# Altium PCB KlusterLab r2.0.PcbDoc (part 4 of 22)
Units mm, origin at the board's own origin, x right, y up, seen from the top; angles counter-clockwise.
Board outline 232 x 250 mm, 12 copper layers (L1 Top, L2 Inner1 (GND), L3 Inner2 (Sig), L4 Inner3 (GND), L5 Inner4 (PWR), L6 Inner5 (PWR), L7 Inner6 (PWR), L8 Inner7 (PWR), L9 Inner8 (GND), L10 Inner9 (Sig), L11 Inner10 (GND), L12 Bottom), stack 1.614 mm thick; 1169 components, 852 nets, 4679 pads, 5115 vias.
Unrouted connection lines stored in the file: 1.
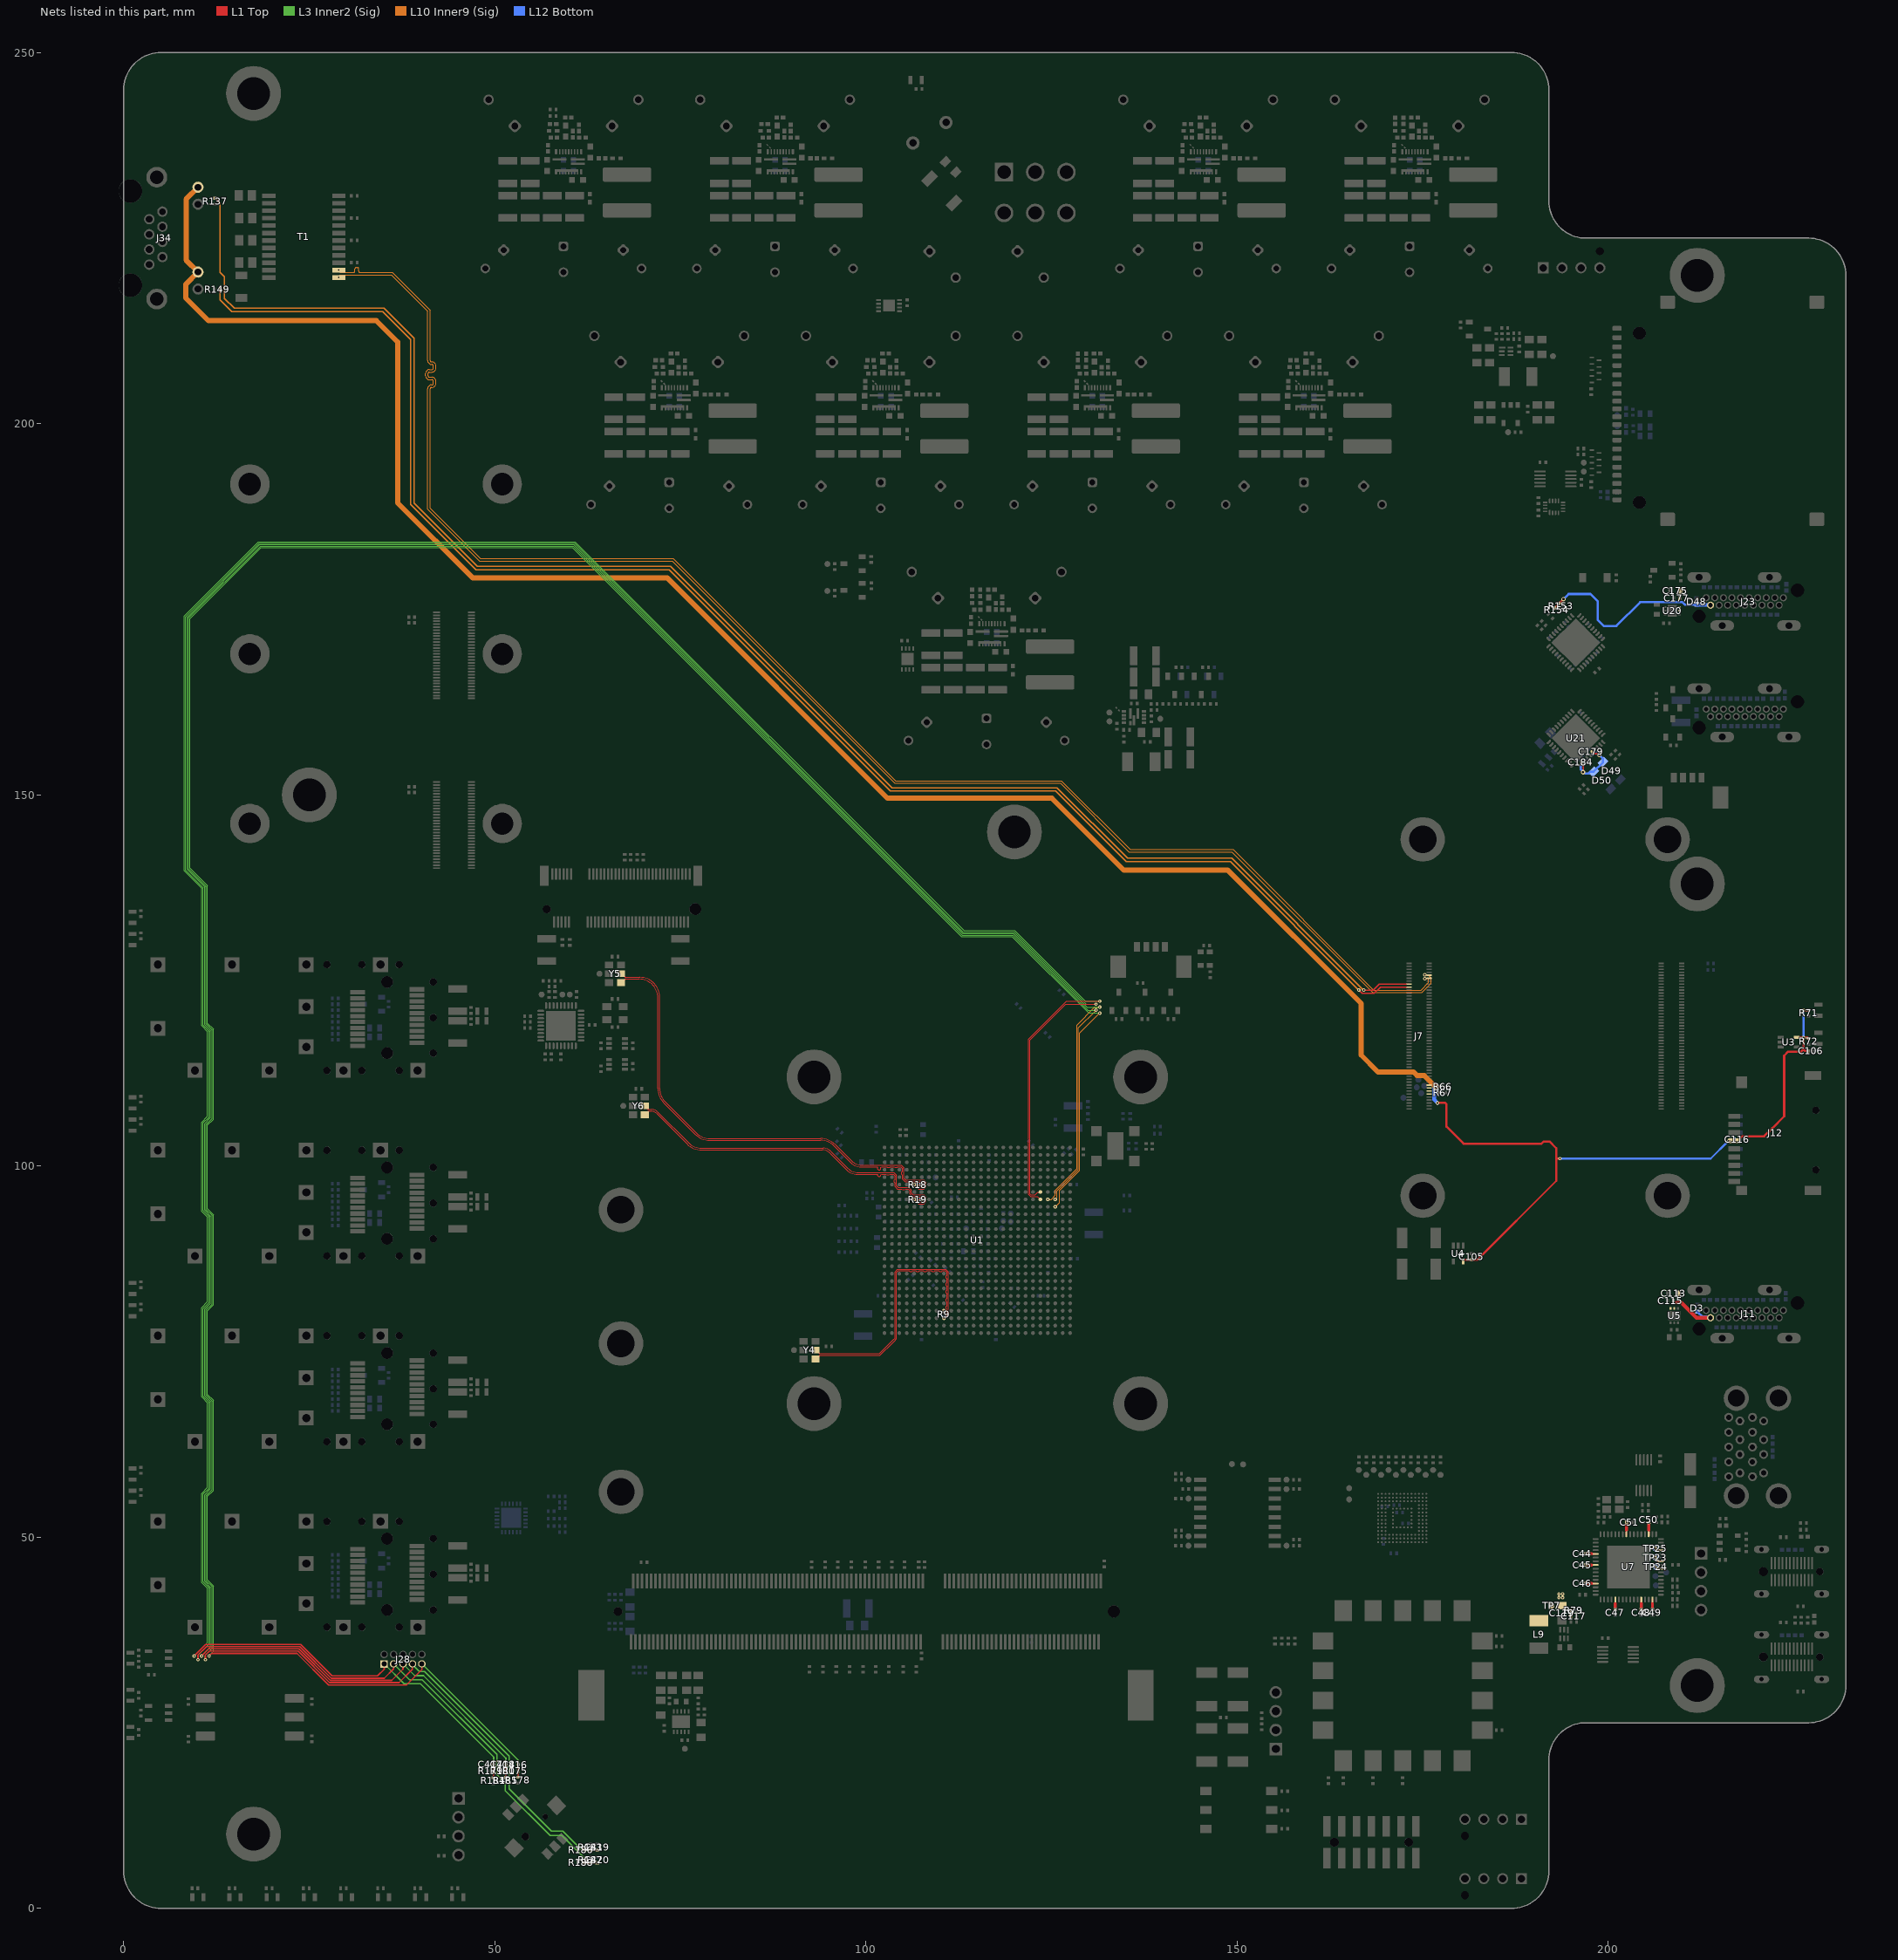
[diagram p14: the nets of this part, all layers, seen from the top]

## Part data
C1 C2 C3 C14 C16 C83 C84 C85 C86 C161 C162 C164 C165: library part CAP_0402_10nF_50V, "Multilayer Ceramic Capacitors MLCC - SMD/SMT 0402 50VDC", Manufacturer 1="Wurth Elektronik", Manufacturer 1 Prt. Nr.=885012205067, Manufacturer 2=Yageo, Manufacturer 2 Prt. Nr.=AC0402KPX7R9BB103
C4 C7 C8 C11 C12 C13 C37 C59 C80 C180: library part CAP_0805_10µF_35V, "Multilayer Ceramic Capacitors MLCC - SMD/SMT 0805 35VDC", Manufacturer 1="Murata Electronics", Manufacturer 1 Prt. Nr.=GRM21BR6YA106ME43L, Manufacturer 2=TDK, Manufacturer 2 Prt. Nr.=C2012X5R1V106M085AC
C5 C9 C10 C15 C17 C18 C19 C20 C21 C22 C23 C24 C25 C26 C27 C28 C29 C30 C31 C32 C33 C34 C35 C36 C41 C42 C43 C44 C45 C46 C47 C48 C49 C50 C51 C56 C57 C58 C61 C70 C71 C78 C79 C81 C82 C88 C90 C92 C94 C95 C97 C99 C101 C105 C106 C114 C115 C116 C143 C145 C146 C147 C148 C149 C150 C151 C152 C153 C154 C155 C156 C157 C158 C159 C160 C163 C167 C168 C169 C170 C171 C172 C173 C176 C177 C179 C181 C183 C184 C185 C186 C187 C188 C189 C190 C191 C192 C194 C195 C197 C198 C199 C213 C219 C250 C252 C289 C290 C316 C317 C343 C344 C370 C371 C397 C398 C416 C417 C418 C419 C420 C431 C432 C458 C459 C485 C486 C502 C503 C504 C511 C513 C520 C521 C522 C523 C524 C525 C526 C527 C528 C529 C533 C538: library part CAP_0402_100nF_50V, "Multilayer Ceramic Capacitors MLCC - SMD/SMT 0402 50VDC", Manufacturer 1="Murata Electronics", Manufacturer 1 Prt. Nr.=GCM155L8EH104KE07D, Manufacturer 2=TDK, Manufacturer 2 Prt. Nr.=UMK105B7104KV-FR
C6: library part CAP_0603_100nF_100V, "Multilayer Ceramic Capacitors MLCC - SMD/SMT 0603 100VDC", Manufacturer 1="Samsung Electro-Mechanics", Manufacturer 1 Prt. Nr.=CL10B104KC8NNNC, Manufacturer 2=AVX, Manufacturer 2 Prt. Nr.=06031C104KAT2A
C38 C207 C235 C253: library part CAP_1210_100µF_6.3V, "Multilayer Ceramic Capacitors MLCC - SMD/SMT 1210 6.3VDC", Manufacturer 1="Samsung Electro-Mechanics", Manufacturer 1 Prt. Nr.=CL32A107MQVNNWE, Manufacturer 2="Taiyo Yuden", Manufacturer 2 Prt. Nr.=JMK325ABJ107MMHP
C39 C40 C55 C200 C201 C202 C204 C205 C206 C208 C209 C210 C211 C212 C214 C215 C216 C217 C218 C220 C221 C222 C223 C224 C225 C226 C227 C228 C229 C230 C231 C232 C233 C234 C236 C237 C238 C239 C241 C242 C243 C244 C245 C247 C248 C249 C251 C254 C255 C256 C257 C263 C269 C271 C272 C274 C275 C277 C421 C422: library part CAP_0402_1µF_35V, "Multilayer Ceramic Capacitors MLCC - SMD/SMT 0402 35VDC", Manufacturer 1="Kyocera Electronic Components", Manufacturer 1 Prt. Nr.=CM05X5R105K35AH, Manufacturer 2=TDK, Manufacturer 2 Prt. Nr.=C1005X5R1V105K050BC
C52 C128 C129 C130 C131 C132 C133 C134 C135 C512: library part CAP_0402_1µF_16V, "Multilayer Ceramic Capacitors MLCC - SMD/SMT 0402 16VDC", Manufacturer 1="Taiyo Yuden", Manufacturer 1 Prt. Nr.=EMK105BJ105MVHF, Manufacturer 2="Murata Electronics", Manufacturer 2 Prt. Nr.=GRM155R61E105KA12D
C53 C54 C117 C530: library part CAP_0402_12pF_50V, "Multilayer Ceramic Capacitors MLCC - SMD/SMT 0402 50VDC", Manufacturer 1="Murata Electronics", Manufacturer 1 Prt. Nr.=GCM1555C1H120JA16J, Manufacturer 2=KEMET, Manufacturer 2 Prt. Nr.=C0402C120J5GACTU
C60: library part CAP_D5L5.5_100µF_10V, "Organische Polymer-Aluminiumkondensatoren 100uF 10 Volts 20%", Manufacturer 1="Würth Elektronik", Manufacturer 1 Prt. Nr.=875105242010
C62 C63 C64 C65 C87 C89 C91 C93 C96 C98 C100 C102 C103 C104 C178 C267 C268 C270 C273 C306 C307 C308 C309 C333 C334 C335 C336 C360 C361 C362 C363 C387 C388 C389 C390 C414 C415 C423 C424 C448 C449 C450 C451 C475 C476 C477 C478 C507 C508 C509 C510 C516 C517 C518 C519: library part CAP_1210_22µF_25V, "Multilayer Ceramic Capacitors MLCC - SMD/SMT 1210 25VDC", Manufacturer 1=KEMET, Manufacturer 1 Prt. Nr.=C1210C226K3PACTU, Manufacturer 2="Taiyo Yuden", Manufacturer 2 Prt. Nr.=TMK212BBJ226MG-TT
C66 C67 C68 C69 C276 C278 C280 C286 C310 C311 C312 C313 C337 C338 C339 C340 C364 C365 C366 C367 C391 C392 C393 C394 C425 C426 C427 C428 C452 C453 C454 C455 C479 C480 C481 C482: library part CAP_0603_1µF_50V_X7R_10%, "Multilayer Ceramic Capacitors MLCC - SMD/SMT 50V 1uF X7R 0603 10%", Manufacturer 1="KYOCERA AVX", Manufacturer 1 Prt. Nr.=06035C105KAT2A, Manufacturer 2="TAIYO YUDEN", Manufacturer 2 Prt. Nr.=MSASU168AB7105KTNA01
C72 C73 C74 C75 C107 C108 C109 C110 C291 C292 C293 C294 C297 C298 C299 C300 C318 C319 C320 C321 C324 C325 C326 C327 C345 C346 C347 C348 C351 C352 C353 C354 C372 C373 C374 C375 C378 C379 C380 C381 C399 C400 C401 C402 C405 C406 C407 C408 C433 C434 C435 C436 C439 C440 C441 C442 C460 C461 C462 C463 C466 C467 C468 C469 C487 C488 C489 C490 C493 C494 C495 C496: library part CAP_1210_47µF_10V_X7R_10%, "Multilayer Ceramic Capacitors MLCC - SMD/SMT 47 uF 10 VDC 10% 1210 X7R", Manufacturer 1="Murata Electronics", Manufacturer 1 Prt. Nr.=GRM32ER71A476KE15L, Manufacturer 2=KEMET, Manufacturer 2 Prt. Nr.=C1210C106K8RACTU
C76 C193 C196 C295 C322 C349 C376 C403 C437 C464 C491: library part CAP_0402_OPT, "Multilayer Ceramic Capacitors MLCC - SMD/SMT 0402 Optional Placeholder"
C77 C296 C323 C350 C377 C404 C438 C465 C492: library part CAP_0603_2.2µF_16V_X7R_10%, "Multilayer Ceramic Capacitors MLCC - SMD/SMT 2.2 uF 16 VDC 10% 0603 X7R", Manufacturer 1="Murata Electronics", Manufacturer 1 Prt. Nr.=GRM188Z71C225KE43D, Manufacturer 2="TAIYO YUDEN", Manufacturer 2 Prt. Nr.=EMK107BB7225KA-T
C111 C301 C328 C355 C382 C409 C443 C470 C497: library part CAP_0603_220nF_50V_X7R_10%, "Multilayer Ceramic Capacitors MLCC - SMD/SMT 0.22 uF 50 VDC 10% 0603 X7R", Manufacturer 1="Murata Electronics", Manufacturer 1 Prt. Nr.=GRJ188R71H224KE11D, Manufacturer 2=TDK, Manufacturer 2 Prt. Nr.=CGA3E3X7R1H224K080AE
C112 C113 C118 C174 C175 C203 C240 C246 C261 C262: library part CAP_0603_10µF_6.3V, "Multilayer Ceramic Capacitors MLCC - SMD/SMT 0603 6.3VDC", Manufacturer 1="Murata Electronics", Manufacturer 1 Prt. Nr.=GRM188R60J106ME84J, Manufacturer 2="Taiyo Yuden", Manufacturer 2 Prt. Nr.=JMK107ABJ106MA-T
C119 C531 C532 C534 C535 C536 C537 C539 C540: library part CAP_0805_22µF_16V, "Multilayer Ceramic Capacitors MLCC - SMD/SMT 0805 16VDC", Manufacturer 1="Samsung Electro-Mechanics", Manufacturer 1 Prt. Nr.=CL21A226KOQNNNG, Manufacturer 2="Murata Electronics", Manufacturer 2 Prt. Nr.=GRM21BC81C226ME44K
C120 C121 C122 C123 C124 C125 C126 C127: library part CAP_0402_10µF_6.3V, "Multilayer Ceramic Capacitors MLCC - SMD/SMT 0402 6.3VDC", Manufacturer 1="Murata Electronics", Manufacturer 1 Prt. Nr.=GRM155R60J106ME05J, Manufacturer 2="Samsung Electro-Mechanics", Manufacturer 2 Prt. Nr.=CL05A106MQ5NRNC
C136 C137 C138 C139 C140 C141 C142 C144: library part CAP_0402_4.7µF_6.3V, "Multilayer Ceramic Capacitors MLCC - SMD/SMT 0402 6.3VDC", Manufacturer 1="Murata Electronics", Manufacturer 1 Prt. Nr.=GRM155R60J475ME47J, Manufacturer 2="Samsung Electro-Mechanics", Manufacturer 2 Prt. Nr.=CL05A475MQ5NRNC
C166: library part CAP_1206_1nF_2000V, "Multilayer Ceramic Capacitors MLCC - SMD/SMT 1206 2000VDC", Manufacturer 1=Yageo, Manufacturer 1 Prt. Nr.=CC1206MKX7RDBB102, Manufacturer 2=Walsin, Manufacturer 2 Prt. Nr.=1206B102M202CT
C182: library part CAP_0603_22µF_10V, "Multilayer Ceramic Capacitors MLCC - SMD/SMT 0603 10VDC", Manufacturer 1="Samsung Electro-Mechanics", Manufacturer 1 Prt. Nr.=CL10A226MP8NUNE, Manufacturer 2="Murata Electronics", Manufacturer 2 Prt. Nr.=GRM188R61A226ME15D
C258 C259 C281 C282 C287 C288 C314 C315 C341 C342 C368 C369 C395 C396 C429 C430 C456 C457 C483 C484: library part CAP_D10L12.5_330µF_25V, "Organische Polymer-Aluminiumkondensatoren 330uF 25 Volts 20% AEC-Q200", Manufacturer 1="Würth Elektronik", Manufacturer 1 Prt. Nr.=870025575009
C260 C264 C265 C302 C303 C304 C329 C330 C331 C356 C357 C358 C383 C384 C385 C410 C411 C412 C444 C445 C446 C471 C472 C473 C498 C499 C500: library part CAP_D8L9_470µF_16V, "Organische Polymer-Aluminiumkondensatoren 470uF 16 Volts 20%", Manufacturer 1="Würth Elektronik", Manufacturer 1 Prt. Nr.=870025374007
C279 C505 C506 C514 C515: library part CAP_0805_1µF_50V, "Multilayer Ceramic Capacitors MLCC - SMD/SMT 0805 50VDC", Manufacturer 1="Samsung Electro-Mechanics", Manufacturer 1 Prt. Nr.=CL21B105KBFNNNG, Manufacturer 2="Taiyo Yuden", Manufacturer 2 Prt. Nr.=UMK212BJ105KGHT
D1 D30 D138 D140 D142 D144: library part "LED 0603 Green Sideview", "GREEN  0603 Light Emitting Diode", Color=Green, Manufacturer 1=lite-On, Manufacturer 1 Prt. Nr.=LTST-S270KGKT
D2 D29 D64 D65 D66 D67 D68 D69 D70 D71: library part "LED 0603 Red Sideview", "RED  0603 Light Emitting Diode", Color=Red, Manufacturer 1=lite-On, Manufacturer 1 Prt. Nr.=LTST-S270KRKT
D3 D4 D5 D6 D7 D8 D9 D10 D11 D12 D13 D14 D15 D16 D17 D18 D19 D20 D21 D22 D23 D24 D25 D26 D27 D28 D33 D34 D35 D36 D38 D39 D40 D41 D42 D43 D44 D45 D46 D47 D48 D51 D52 D53 D54 D55 D56 D57 D58 D59 D60 D61 D62 D63 D74 D75 D76 D81 D82: library part "CESDP0402UC5VB_TVS Diode 0402", "Low Capacitance ESD Protection Diode 0402", Manufacturer 1=CREATEK, Manufacturer 2=BORN, Manufacturer 2 Prt. Nr.=BPESD0402-05ST, Manufacturer 1 Prt. Nr.=CESDP0402UC5VB
D31 D73: library part "LED 0603 Blue Sideview", "BLUE  0603 Light Emitting Diode", Color=Blue, Manufacturer 1=lite-On, Manufacturer 1 Prt. Nr.=LTST-S270TBKT
D32 D83: library part 824014883_ESD-Suppressors_TVS-Diodes_3.3V_0.5pF_8Chnl, "ESD Suppressors / TVS Diodes WE-TVS Diode Array 3.3V 0.5pF 8Channel", Manufacturer 1="Wurth Elektronik", Manufacturer 1 Prt. Nr.=824014883
D37 D49 D50: library part "BAT54GWJ_Schottky Diode 30V, 200mA", "Schottky Diode 30V, 200mA", Manufacturer 1=Nexperia, Manufacturer 2=onsemi, Manufacturer 2 Prt. Nr.=BAT54T1G, Manufacturer 1 Prt. Nr.=BAT54GWJ
D72: library part "SMB15F18A_ESD-Entstörer/TVS-Dioden 1500 W, 18 V TVS", "ESD-Entstörer/TVS-Dioden 1500 W, 18 V TVS", Manufacturer 1=STMicroelectronics, Manufacturer 1 Prt. Nr.=SMB15F18A
D77 D78 D79 D80: library part "RB160QS-40_Schottky Dioden & Gleichrichter 40V", "Schottky Dioden & Gleichrichter 40V SCHOTTKY DIODES & RECTIFIERS", Manufacturer 1=Rohm, Manufacturer 1 Prt. Nr.=RB160QS-40
D139 D141 D143 D145: library part "LED 0603 ORANGE Sideview", "ORANGE 0603 Light Emitting Diode", Color=Orange, Manufacturer 1=lite-On, Manufacturer 1 Prt. Nr.=LTST-S270KFKT
F1: library part "0ZRB0400FF1A_Rückstellbare Sicherung 4.0A, 30V", "Rückstellbare Sicherung 4.0A, 30V", Manufacturer 1="Bel Fuse", Manufacturer 1 Prt. Nr.=0ZRB0400FF1A
H1 H20 H21: library part "Würth Standoff M2.5 h:6.5mm", "Würth Standoff M2.5 h:6.5mm 9774065151R", Manufacturer 1="Würth Elektronik", Manufacturer 1 Prt. Nr.=9774065151R
H2 H3 H4 H5: library part "Würth Standoff M2.5 h:3.0mm", "Würth Standoff M2.5 h:3.0mm 9774030151R", Manufacturer 1="Würth Elektronik", Manufacturer 1 Prt. Nr.=9774030151R
H6 H7 H8 H9 H22 H23 H24: library part "Würth Standoff M3 h:7mm", "Würth Standoff M3 h:7mm 9774070360R", Manufacturer 1="Würth Elektronik", Manufacturer 1 Prt. Nr.=9774070360R
H10 H11 H12 H13 H14 H15: library part "Würth Standoff M2 h:5mm", "Würth Standoff M2 h:5mm 9774050243R", Manufacturer 1="Würth Elektronik", Manufacturer 1 Prt. Nr.=9774050243R
H16 H17 H18 H19: library part "Würth Standoff M3 h:2mm", "Würth Standoff M3 h:2mm 9774020360R", Manufacturer 1="Würth Elektronik", Manufacturer 1 Prt. Nr.=9774020360R
HS1: library part "ATS-61500W-C2-R0_Heatsink Assembly 52.65x52.65x24.5mm", "Machined Copper Heatsink for GaN Devices", Manufacturer 1="Advanced Thermal Solutions", Manufacturer 1 Prt. Nr.=ATS-61500W-C2-R0
J1: library part "2-2013310-1_SO-DIMM DDR3 204P 9.2H STD Connector", "SO-DIMM DDR3 204P 9.2H STD Connector", Manufacturer 1="TE Connectivity", Manufacturer 1 Prt. Nr.=2-2013310-1
J2 J3 J4 J5: library part "74441-0010_Card Edge Connector for SFP+", "20 Pin Right Angle 0.8mm SMD Card Edge Connector for SFP+", Manufacturer 1=Molex, Manufacturer 1 Prt. Nr.=74441-0010
J6: library part "APCI0161-NGFF B-Key Card Edge Connector 8.5mm Height", "NGFF B-Key Card Edge Connector 8.5mm Height", Manufacturer 1=Lotes, Manufacturer 1 Prt. Nr.=APCI0161
J7: library part "DF40HC(3.0)-100DS-0.4V RPiCM4 Pin 1-100", "Hirose DF40HC(3.0)-100DS-0.4V 3mm heigth receptacle for Raspberry Pi CM4, Pin 1-100", Manufacturer 1=Hirose, Manufacturer 1 Prt. Nr.=DF40HC(3.0)-100DS-0.4V
J8: library part "DF40HC(3.0)-100DS-0.4V RPiCM4 Pin 101-200", "Hirose DF40C-100DS-0.4V 3mm heigth receptacle for Raspberry Pi CM4, Pin 101-200", Manufacturer 1=Hirose, Manufacturer 1 Prt. Nr.=DF40HC(3.0)-100DS-0.4V
J9: library part "UEA1112C-8FS6-4F_Dual USB 3.0 Horizontal Type A_1", "Dual USB 3.0 Horizontal Type A", Manufacturer 1=Foxconn, Manufacturer 2=HDGC, Manufacturer 2 Prt. Nr.=USB-HX-19DIP, Manufacturer 1 Prt. Nr.=UEA1112C-8FS6-4F
J10 J16: library part "53398-0476_1.25mm Pitch, PicoBlade PCB Header, Single Row, horizontal, SMD, 4 Pin", "1.25mm Pitch, PicoBlade PCB Header, Single Row, horizontal, SMD, 4 Pin", Manufacturer 1=Molex, Manufacturer 2 Prt. Nr.=53398-0471, Manufacturer 1 Prt. Nr.=53398-0476, Manufacturer 2=Molex
J11 J23 J24: library part "EB-500-6007_HDMI Connector 19Pin Vertical THT", "HDMI Connector Female Vertical 19 Pin", Manufacturer 1=Elecbee, Manufacturer 1 Prt. Nr.=EB-500-6007
J12: library part "TF-115_microSD™ Memory Card 8 connector", "microSD™ Memory Card 8 connector&Ejector 14.5x14.75x1.85mm Card Sockets Connector", Manufacturer 1=XUNPU, Manufacturer 1 Prt. Nr.=TF-115
J13 J14: library part "USB4200-03-A_USB3.2 Gen2, Type C Receptacle, Dual Row SMT, Flag Type, PCB Top Mount, 24 Pin", "USB Connectors USB Type C Receptacle, Flag-type, 3.2 Gen2, SMT, 24pin", Manufacturer 1=GCT, Manufacturer 1 Prt. Nr.=USB4200-03-A
J15 J17 J25: library part "61300411121_WR-PHD 2.54mm 4Pin THT Header", "WR-PHD 2.54mm 4Pin THT Header", Manufacturer 1="Würth Elektronik", Manufacturer 1 Prt. Nr.=61300411121
J18: library part "87832-1420_Box Pin header THT 2.00mm Box 14Pol Straight", "Box Pin header THT 2.00mm 14Pol Straight", Manufacturer 1=Molex, Manufacturer 1 Prt. Nr.=87832-1420
J19: library part CMP-CON-000076-3, "Horizontal SD Card UHS-II Connector with PCIe x1 Pins, Push-Push operation", Manufacturer 1=Amphenol, Manufacturer 1 Prt. Nr.=GSD2100107BHR, Max Operating Temperature=85°C, Min Operating Temperature=-40°C, Entry Direction="Side Entry", Gender=Female, Mount="Surface Mount", Pin Count=19, Symbol Text=GSD2100107BHR
J21 J27: "Platine-zu-Platine & Mezzanine-Steckverbinder 0.40 mm Micro Blade & Beam Ultra Fine Pitch Socket", Manufacturer 1=Samtec, Manufacturer 1 Prt. Nr.=SS4-30-3.50-L-D-K-TR
J26: library part "87427-0602_Mini-Fit Jr. Right angle Header, 4.20mm Pitch, Dual Row, 6 Circuits", "Mini-Fit Jr. Right angle Header, 4.20mm Pitch, Dual Row, 6 Circuits", Manufacturer 1=MOLEX, Manufacturer 1 Prt. Nr.=874270602
J28: library part "62701021621_Box Pin header THT 1.27mm 10Pol Straight", "Box Pin header THT 1.27mm 10Pol Straight", Manufacturer 1="Würth Elektronik", Manufacturer 1 Prt. Nr.=62701021621
J29 J30 J31: library part "FAN Connector header 2.54mm 4Pol Pinrex 744-81-04TG20", "FAN Connector header 2.54mm 4Pol", Manufacturer 1=PINREX, Manufacturer 1 Prt. Nr.=744-81-04TG20
J34: library part "R-RJ45R08P-C000_RJ45 8P8C Shielded Yellow - Green Through Hole Ethernet Connectors", "RJ45 8 1 Shielded Yellow - Green Through Hole Ethernet Connectors/Modular Connectors (RJ45 RJ11) RoHS", Manufacturer 1="Ckmtw(Shenzhen Cankemeng)", Manufacturer 1 Prt. Nr.=R-RJ45R08P-C000
L1 L2 L3 L4 L5 L6 L7 L8 L13: library part "BLM18SG121TN1D_Ferrite Beads 0603 120Ohms 3000mA", "Ferritperlen BLM18_xN 0603 100MHz 120Ohm 3000mA 25mOhm RSER", Manufacturer 1="Murata Electronics", Manufacturer 1 Prt. Nr.=BLM18SG121TN1D
L9 L20 L21: library part "1uH 6A 27mΩ  FXL0420-1R0-M", "1uH ±20% 6A 27mΩ SMD,4.4x4.5x1.8mm Power Inductor", Manufacturer 1="cjiang(Changjiang Microelectronics Tech)", Manufacturer 1 Prt. Nr.=FXL0420-1R0-M
L10 L11 L12 L14 L15 L16 L17 L18 L19: library part "XAL7070-801MEC_Power Inductors SMD 800nH Shld 20% 25.8A 2.29mOhms AECQ200", "Power Inductors - SMD 800nH Shld 20% 25.8A 2.29mOhms AECQ200", Manufacturer 1=Coilcraft, Manufacturer 1 Prt. Nr.=XAL7070-801MEC
M1 M2 M3 M4: library part "2007198-1_2SFP+ Cage, 1x1, external EMV springs, no lightpipes", "2SFP+ Cage, 1x1, external EMV springs, no lightpipes", Manufacturer 1="TE Connectivity", Manufacturer 1 Prt. Nr.=2007198-1
PC1: library part "Raspberry Pi Compute Module 4", "Raspberry Pi 4 Compute Module 4", Manufacturer 1="Raspberry Pi", Manufacturer 1 Prt. Nr.="Compute Module 4"
Q1 Q2 Q3 Q4 Q5 Q6 Q7 Q8 Q12 Q13 Q14 Q15 Q16 Q17: library part "RUC002N05T116_MOSFET N-Ch 1.2 VGS Spec", "MOSFET N-Ch 1.2 VGS Spec", Manufacturer 1="ROHM Semiconductor", Manufacturer 1 Prt. Nr.=RUC002N05T116
Q9 Q10 Q11: library part "2N7002NXAKR_MOSFET 60V SGL N-CH TRENCHMOS", "MOSFET 60V SGL N-CH TRENCHMOS", Manufacturer 1=Nexperia, Manufacturer 1 Prt. Nr.=2N7002NXAKR
R1 R3 R5 R6 R7 R8: library part RES_0402_80.6R_1%, "Thick Film Resistors - SMD 80.6R 1%", Manufacturer 1="Vishay / Dale", Manufacturer 1 Prt. Nr.=CRCW040280R6FKEDC, Manufacturer 2=Yageo, Manufacturer 2 Prt. Nr.=RC0402FR-7W80R6L
R2 R4: library part RES_0402_1.07k_1%, "Thick Film Resistors - SMD 1.07kOhm 1%", Manufacturer 1="Vishay / Dale", Manufacturer 1 Prt. Nr.=CRCW04021K07FKEDC, Manufacturer 2=Yageo, Manufacturer 2 Prt. Nr.=AC0402FR-071K07L
R9 R16 R17 R18 R19 R109 R206 R341: library part RES_0402_100R_1%, "Thick Film Resistors - SMD 100Ohm 1%", Manufacturer 1="Vishay / Dale", Manufacturer 1 Prt. Nr.=CRCW0402100RFKEE, Manufacturer 2=Yageo, Manufacturer 2 Prt. Nr.=RC0402FR-7W100RL
R10 R11 R12 R13 R14 R15 R20 R21 R22 R23 R24 R25 R28 R29 R30 R31 R32 R33 R34 R35 R36 R39 R40 R41 R42 R43 R44 R45 R46 R47 R50 R51 R52 R53 R54 R55 R56 R57 R58 R61 R62 R63 R86 R94 R95 R98 R105 R133 R139 R140 R141 R176 R177 R181 R182 R211 R212 R229: library part RES_0402_4.7k_1%, "Thick Film Resistors - SMD 4.7kOhm 1%", Manufacturer 1="Vishay / Dale", Manufacturer 1 Prt. Nr.=CRCW04024K70FKEDC, Manufacturer 2=Yageo, Manufacturer 2 Prt. Nr.=RC0402FR-134K7L
R26 R27 R37 R38 R48 R49 R59 R60: library part RES_0603_0R_Jumper, "Thick Film Resistors - SMD 0Ohm Jumper", Manufacturer 1=Yageo, Manufacturer 1 Prt. Nr.=RC0603JR-100RL, Manufacturer 2="Vishay / Draloric", Manufacturer 2 Prt. Nr.=CRCW06030000Z0EBC
R64 R65 R164 R165 R166 R167 R170 R171 R274: library part RES_0402_47k_1%, "Thick Film Resistors - SMD 47kOhm 1%", Manufacturer 1="Vishay / Dale", Manufacturer 1 Prt. Nr.=CRCW040247K0FKEDC, Manufacturer 2=Yageo, Manufacturer 2 Prt. Nr.=RC0402FR-7W47KL
R66 R67 R69 R70 R96 R103 R104 R118 R119 R120 R121 R122 R123 R124 R125 R126 R127 R128 R129 R130 R142 R143 R144 R145 R146 R147 R148 R200 R201 R202 R203 R204 R205 R213 R219 R220 R221 R227 R232 R233 R234 R240 R241 R242 R248 R249 R250 R293 R294 R296 R297 R298 R304 R305 R306 R312 R313 R314 R320 R321 R323: library part "RES_0402_0R Jumper", "Thick Film Resistors - SMD 0Ohm", Manufacturer 1="Vishay / Dale", Manufacturer 1 Prt. Nr.=CRCW04020000Z0EDC, Manufacturer 2=Yageo, Manufacturer 2 Prt. Nr.=RC0402JR-070RL
R68 R74 R75 R80 R84 R91 R92 R93 R102 R155 R156 R157 R160 R163 R175 R179 R180 R183 R187 R217 R223 R225 R228 R236 R238 R246 R287 R290 R291 R302 R310 R318 R324 R332 R333 R334 R335 R336 R337 R338 R342 R343 R344 R347: library part RES_0402_10k_1%, "Thick Film Resistors - SMD 10kOhm 1%", Manufacturer 1="Vishay / Dale", Manufacturer 1 Prt. Nr.=CRCW040210K0FKEDC, Manufacturer 2=Yageo, Manufacturer 2 Prt. Nr.=RC0402FR-7W10KL
R71 R72 R110 R111 R112 R113 R114 R115 R116 R178 R184 R185 R186 R188 R207 R288: library part RES_0402_1k_1%, "Thick Film Resistors - SMD 1kOhm 1%", Manufacturer 1="Vishay / Dale", Manufacturer 1 Prt. Nr.=CRCW04021K00FKEDC, Manufacturer 2=Yageo, Manufacturer 2 Prt. Nr.=RC0402FR-7W1KL
R73: library part RES_0402_90.9k_1%, "Thick Film Resistors - SMD 90.9k 1%", Manufacturer 1="Vishay / Dale", Manufacturer 1 Prt. Nr.=CRCW040290k9FKEDC, Manufacturer 2=Yageo, Manufacturer 2 Prt. Nr.=RC0402FR-7W90k9L
R76 R77 R131 R150: library part RES_0805_75R_1%, "Thick Film Resistors - SMD 75Ohm 1%", Manufacturer 1=Bourns, Manufacturer 1 Prt. Nr.=CR0805-FX-75R0ELF, Manufacturer 2=Panasonic, Manufacturer 2 Prt. Nr.=ERJ-6ENF75R0V
R78: library part RES_0402_9.53k_1%, "Thick Film Resistors - SMD 9.53kOhm 1%", Manufacturer 1=Panasonic, Manufacturer 1 Prt. Nr.=ERJ-2RKF9531X, Manufacturer 2=Yageo, Manufacturer 2 Prt. Nr.=RC0402FR-079K53L
R79: library part RES_0402_15k_1%, "Thick Film Resistors - SMD 15kOhm 1%", Manufacturer 1="Vishay / Dale", Manufacturer 1 Prt. Nr.=CRCW040215K0FKEDC, Manufacturer 2=Yageo, Manufacturer 2 Prt. Nr.=RC0402FR-1315KL
R81: library part RES_0402_18k_1%, "Thick Film Resistors - SMD 18kOhm 1%", Manufacturer 1="Vishay / Dale", Manufacturer 1 Prt. Nr.=CRCW040218K0FKEDC, Manufacturer 2=Yageo, Manufacturer 2 Prt. Nr.=RC0402FR-0718KL
R82: library part RES_0402_1M_1%, "Thick Film Resistors - SMD 1MOhm 1%", Manufacturer 1="Vishay / Dale", Manufacturer 1 Prt. Nr.=CRCW04021M00FKEDC, Manufacturer 2=Yageo, Manufacturer 2 Prt. Nr.=RC0402FR-071ML
R83: library part RES_0402_5.62k_1%, "Thick Film Resistors - SMD 5.62kOhm 1%", Manufacturer 1="Vishay / Dale", Manufacturer 1 Prt. Nr.=CRCW04025K62FKEDC, Manufacturer 2=Yageo, Manufacturer 2 Prt. Nr.=AC0402FR-7W5K62L
R85 R132 R136 R138: library part RES_0402_5.1k_1%, "Thick Film Resistors - SMD 5.1kOhm 1%", Manufacturer 1="Vishay / Dale", Manufacturer 1 Prt. Nr.=CRCW04025K10FKTD, Manufacturer 2=Yageo, Manufacturer 2 Prt. Nr.=AC0402FR-075K1L
R87 R88 R89 R90 R153 R154 R158 R159 R168 R169 R172 R173 R174 R197 R198 R199 R208 R209 R283 R284 R285 R286: library part RES_0402_1.6k_1%, "Thick Film Resistors - SMD 1.6kOhm 1%", Manufacturer 1="Vishay / Dale", Manufacturer 1 Prt. Nr.=CRCW04021K60FKEDC, Manufacturer 2=Yageo, Manufacturer 2 Prt. Nr.=RC0402FR-7W1K6L